# Altium PCB miniVent_PCB_v1_0.PcbDoc (continued)
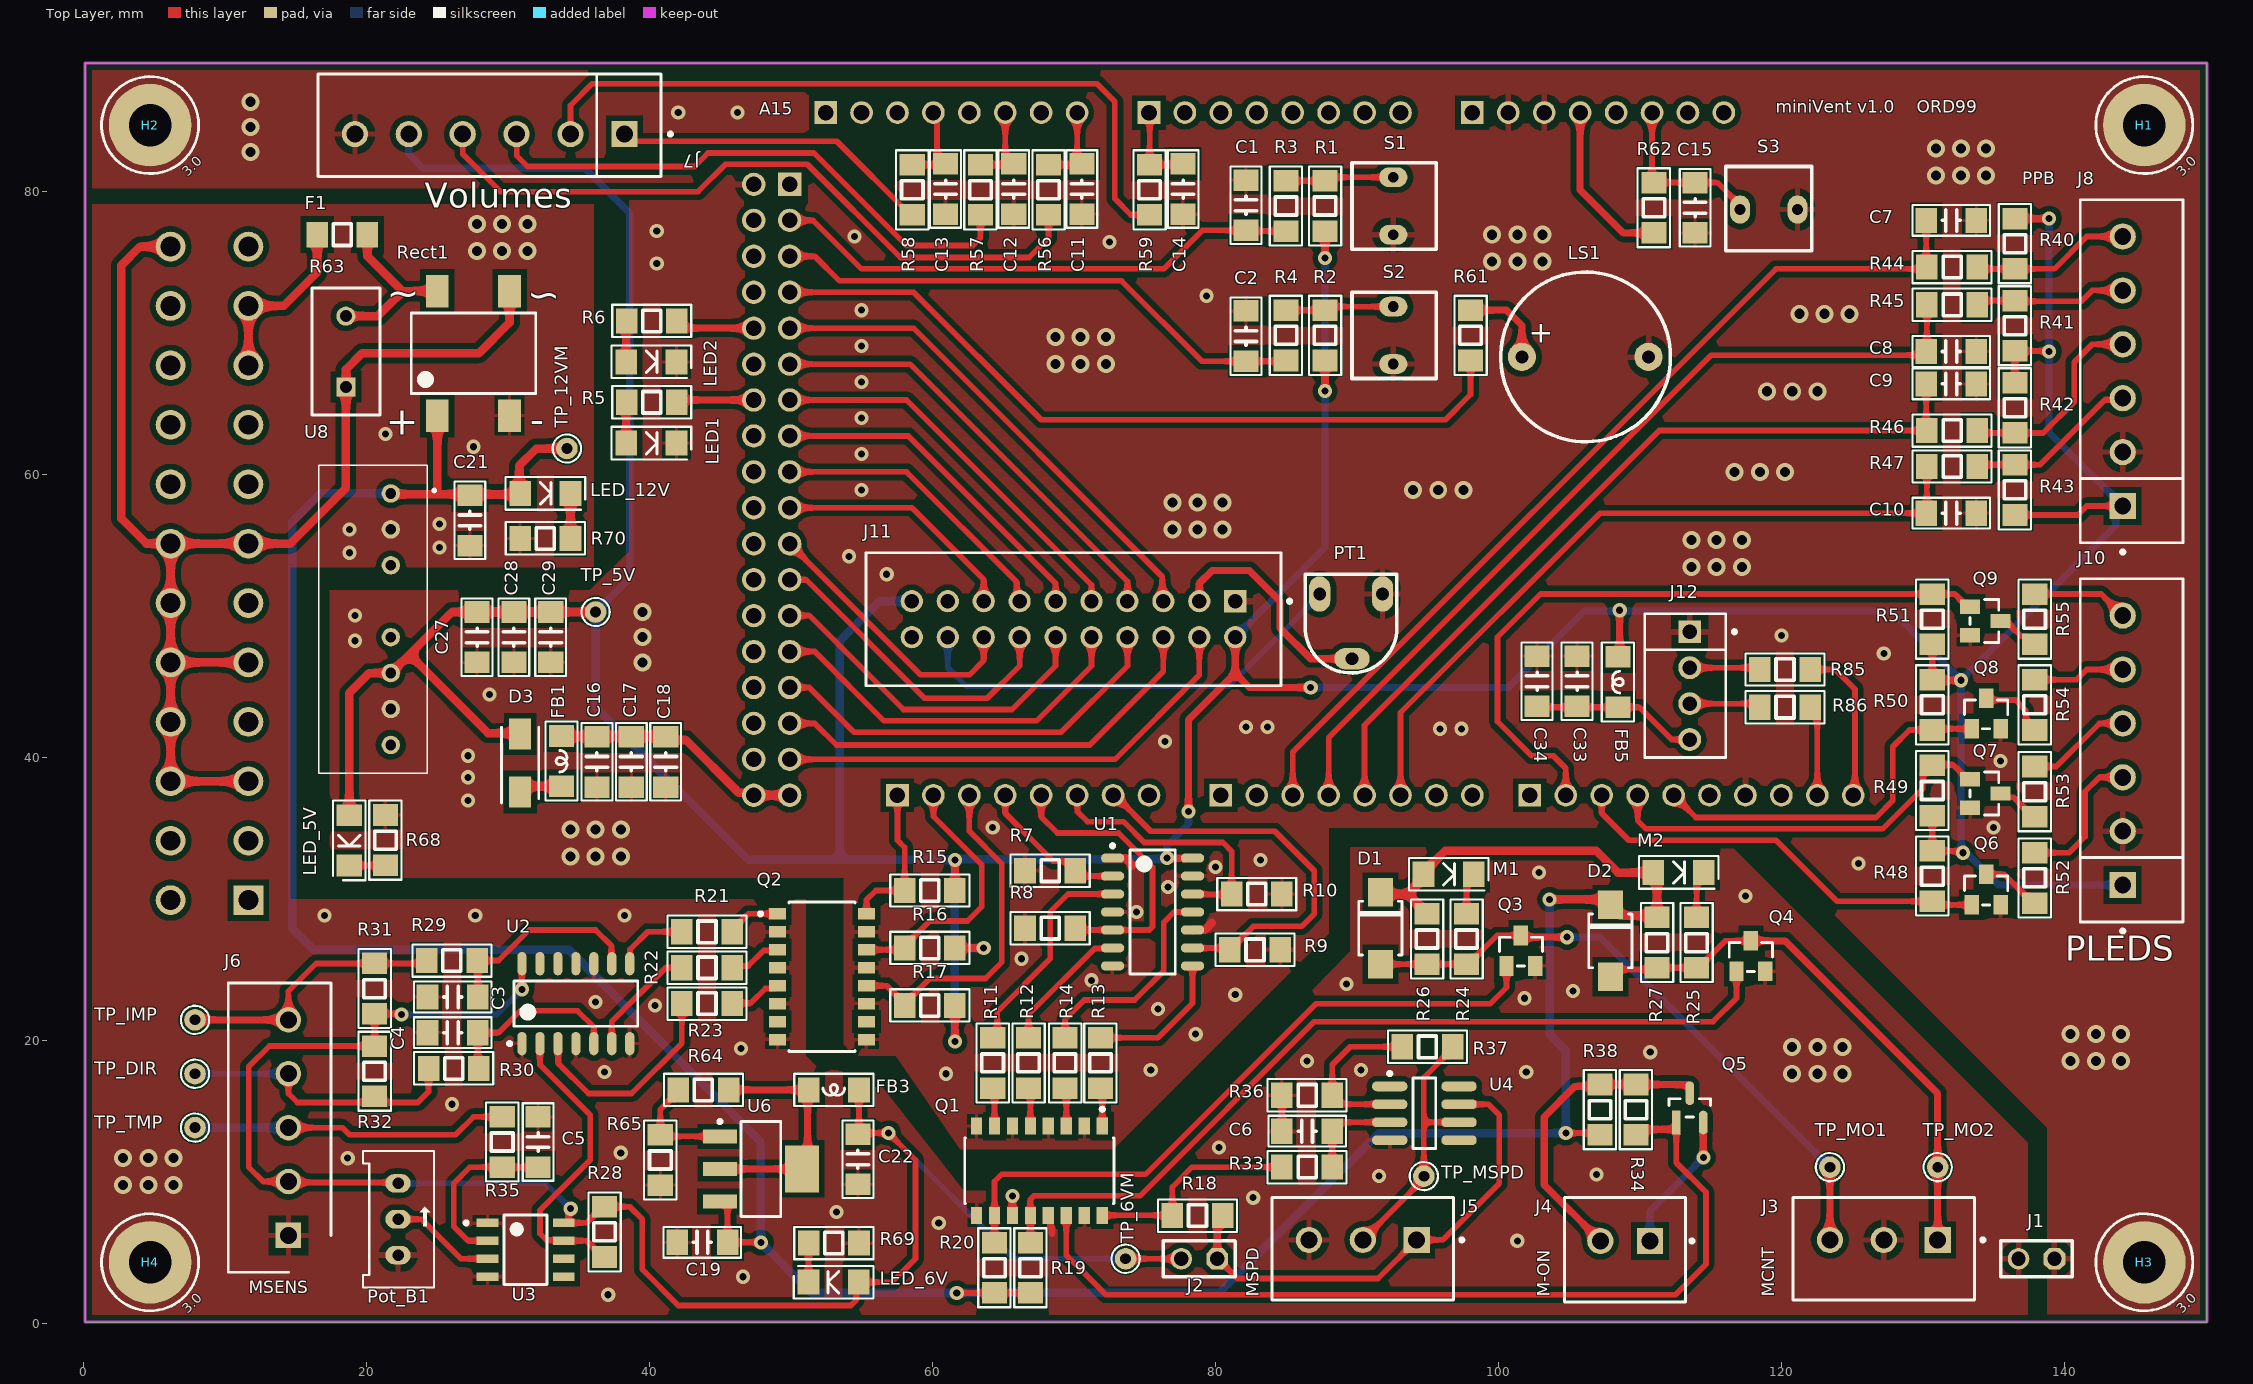
[diagram p0: Top Layer view]
## Footprints (in the part's own frame and the unit in brackets; to place one, negate y for a bottom-side part, rotate by r counter-clockwise, add the part's x,y. Pads: shape width x height; smd on the part's side, far side on the other; paste and mask are expansions set on the pad) (continued)
  rect 1.57x1.57 hole 1.02: 1(-11.43,-1.27)
  round 1.57 hole 1.02: 2(-11.43,1.27) 3(-8.89,-1.27) 4(-8.89,1.27) 5(-6.35,-1.27) 6(-6.35,1.27) 7(-3.81,-1.27) 8(-3.81,1.27) 9(-1.27,-1.27) 10(-1.27,1.27) 11(1.27,-1.27) 12(1.27,1.27) 13(3.81,-1.27) 14(3.81,1.27) 15(6.35,-1.27) 16(6.35,1.27) 17(8.89,-1.27) 18(8.89,1.27) 19(11.43,-1.27) 20(11.43,1.27)
  silkscreen extent -15.4,-4.7 14.67,4.7, body extent -14.77,-4.8 14.77,4.8, height 0.25
SHDR5W100P0X381_1X5_2044X725X920P [mm]
  rect 1.8x1.8 hole 1.2: 1(0,0)
  round 1.8 hole 1.2: 2(3.81,0) 3(7.62,0) 4(11.43,0) 5(15.24,0)
  silkscreen extent -2.6,-3 17.84,4.25, body extent -2.6,-3.05 17.84,4.2, height 9.2
TE_640454-4_0 [mm]
  rect 1.62x1.62 hole 1.02: 1(3.81,-0.32)
  round 1.62 hole 1.02: 2(1.27,-0.32) 3(-1.27,-0.32) 4(-3.81,-0.32)
  silkscreen extent -5.08,-3.6 5.08,2.86, body extent -5.18,-3.15 5.18,3.15, height 0.25
"Test Point Small" [mil]
  round 60 hole 30: 1(0,0)
  silkscreen extent -39,-39 39,39, body extent -20,-20 20,20, height 256
Texas_Instruments_D_R-PDSO-G8_0 [mm]
  rect 0.6x1.55 smd: 1(-1.905,-2.7) 2(-0.635,-2.7) 3(0.635,-2.7) 4(1.905,-2.7) 5(1.905,2.7) 6(0.635,2.7) 7(-0.635,2.7) 8(-1.905,2.7)
  silkscreen extent -2.45,-4.32 2.45,1.53, body extent -2.75,-3.57 2.75,3.57, height 0.25
Toshiba_11-10F1_0 [mm]
  rect 1.2x0.8 smd: 1(-3.15,4.445) 2(-3.15,3.175) 3(-3.15,1.905) 4(-3.15,0.635) 5(-3.15,-0.635) 6(-3.15,-1.905) 7(-3.15,-3.175) 8(-3.15,-4.445) 9(3.15,-4.445) 10(3.15,-3.175) 11(3.15,-1.905) 12(3.15,-0.635) 13(3.15,0.635) 14(3.15,1.905) 15(3.15,3.175) 16(3.15,4.445)
  silkscreen extent -4.47,-5.28 2.32,5.28, body extent -3.85,-5.38 3.85,5.38, height 0.25

## Part data
C1 C2 C3 C4 C5 C6 C7 C8 C9 C10 C11 C12 C13 C14 C15 C16 C17 C18 C19 C21 C22 C27 C28 C29 C33 C34: library part "C 1206  100V X7R - 100n", "SMD 1206   100V X7R 10%", Manufacturer=Samsung, Package=1206, Package-mm=3216, Part Number=CL31B104KCFNNNE, Supplier Part Number 1="C1206 100nF 100V X7R SAMSUNG", TempCo=X7R, Temperature Range="-55°C ~ +125°C", Tolerance %=±10%, ComponentLink1Description="Datasheet Link", ComponentLink1URL=https://store.comet.bg/download-file.php?id=11, ComponentLink2Description="Characteristics data", ComponentLink2URL=https://store.comet.bg/download-file.php?id=3821, Mount Type=SMT, Price=0.090, Published=07.04.2019, Publisher=Hefest, RoHS=Y, Supplier 1=Comet, Technology="Ceramic  MLCC", Type=Capacitors
  C1 C2 C3 C4 C5 C6 C7 C8 C9 C10 C11 C12 C13 C14 C15 C16 C17 C18 C19 C21 C22 C27 C28 C29: VDC=100V
  C33 C34: VDC=16V
FB1 FB3 FB5: library part "FB BLM31P 600", "SMD 1206 1.5A 600Ω/80mΩ", DC Resistance=80mΩ, Manufacturer=Murata, Package=1206, Package-mm=3216, Part Number=BLM31PG601SN1L, Temperature Range="-55°C ~ +125°C", Tolerance %=±25%, ComponentLink1Description="Datasheet Link", ComponentLink1URL=https://store.comet.bg/download-file.php?id=5324, Imax=1.5A, Ind=0.955uH, Material=Ferrite, Mount Type=SMT, Price=0.161, Published=07.04.2019, Publisher=Hefest, RoHS=Y, Supplier 1=Comet, Supplier Part Number 1=BLM31PG601SN1L, Technology=Chip, Type="Ferrite Bead", ZTyp@100MHz=600Ω
H1 H2 H3 H4: library part MOUNT-PAD-ROUND, "MOUNTING PAD, round"
J1 J2: "Jumper Wire", Manufacturer="Generic Components", Published=1999
J3 J5: "CONN 3 Position Terminal Block Header, Male Pins, Shrouded (4 Side) 0.150\" (3.81mm) Vertical Through Hole", Current=8A, Digikey Part Number=277-1222-ND, Manufacturer="Phoenix Contact", Mouser Part Number=651-1803439, Package=HDR03, Part Number=1803439, Temperature=to, Voltage - IEC=250V, Voltage - UL=300V, ComponentLink1Description=Upverter, ComponentLink1URL=https://upverter.com/upn/revision/15cf6a4194e13e43/, ComponentLink2Description=Datasheet, ComponentLink2URL=https://www.phoenixcontact.com/online/portal/ca/pxc/product_detail_page/!ut/p/b1/3ZfJjqNIEIafpR6AdrKbI_tmMDuGCwKM2YzBYNanH1epNYcZVdel5YPJEyjEry8y4s-MXbgLYHi_J3CCQPDdaRfe4qnM40fZ3uLr53tIRJSoEwDBCBgIJg5oBjEVUnUIEkF3_u4EsMiu1k492It-sDHlbi8yHOwHVesM1QUjMDMVR8xGsF3fyzpJKbMGb3m-ldRMvdytogjEpUzEa8lZ9WDWMrMfblh9r_G9jx23obf2YSs-2rv4yBnWYYhKP6Qt7R-f_-vW1r0u1lUoq1adcqJY64DoyrtY5gFB9r04PgKRloXATq5-UXB1rJW0WkCjM3884YLv4SwL_MQePAPIbwNofOfsTp4LH7hWnnkOOTArw_XmlI6IdJtrNOQymFamkLNrkZpsxL5rt4NN4RNT9W1XVFr7OAp8r54RYI96zPDufnQMXusajRdMglVtvbrxB4zkJlzcIkvpNmZLT-GVaR_QSeLSBU_I0uAFuzTwPpZg6WzD_F29V3iNVlF0sagDr-69_VydVgaLOBF44TK1Hz-BkW8KZmLvCka8K9i79pj5rj1GvGuPEe_aY8S79pj2tqX4ruahwZ9gJzfSP8E4iSg7m86AZnOldR6lvtQQKldj0xZDx5ipFru0uAyccwdFJyLPVeUWkwuio7balMKGiIEYKou4Ojw-m_Ps-YOed7PU7bu5OO4viE1KIEZPaI6BhEwUT0bv8T26k0lT1IVnyIcTm9RCG5kMLqD80NZGu2IkhFs1DPIH3vnMPiuW1Jh8JiWNGUPCG-poAqyWAhworNYfeYPOlHW-eN3QQH1DreMULztlF5ZJ82tOm1_gV7ekv7q-PY_pIzpnj7i8Rl2cZztPSYeFHbSZ45NiQBxTbG5HO5QHKxGEuGeuICKFNYN7ZEQX7Hj0HuvFFArVRqcxrSpV8utyrCdYB1cMrmtbwBpc5O89Jx22CMvVCSNuOJBiU-BRyMIheo51xkUxYATodnThS4xTbmt-fDxHgPBPN-Wvi_RXAPjmocHOzm4RS0fGiWXpH4pART6L4PfQIW_1ZlVgBro7ILpbb2DzdK06-brDz7rO6A-OXgAPVsd57jPnPvcaA87jZJw9y2VoVqX1c_6TIPxqQfTFguyrBe1XpxQBrxb8-4Tf2sK1HB5fpjB8usL2ZY487eQhJJkBdFs9iq2mnJEoXkVCz7WhQg9okqAqD2tq0EBucCSmsKr8gKUv52hDkiplykueytOF0UzYoeUmPFqGQvNIxiYGMWE9QwxF4uZQ7MispJFQRRE-D0dNlWayA-7UBJNixy0hNw4I1cutopgdIKnHWISwCmAnJ1YYLpTDnfUsz-qpWJ7usHq7Nr53SY6H2_rpLLrUNtkPiZbx_yV6M2edpGen0mYYgE0jJVN_JlbXbdjmwQJ6T7MrddN5WHW45-mnS78TTYdLfpN_EiRfLMiDVwsiLxZ0X03own9d0N8Ff54O_D4b2rFPs511zi7xeH3szDROi-yQTdnV-DzTm7BfofiblYAK-8-XGd7_u6CA_vgHnVCNeg!!/dl4/d5/L2dBISEvZ0FBIS9nQSEh/pw/Z7_9GN6024610FQ50AB2QJ7KT6766/act/id=0/p=downloadId=2845392/p=action=downloadFile/349172715691/-/, Digikey Description="CONN 3 Position Terminal Block Header, Male Pins, Shrouded (4 Side) 0.150\" (3.81mm) Vertical Through Hole", helpURL=https://upverter.com/upn/revision/15cf6a4194e13e43/, Lead Free=yes, Number of Positions=3, Pitch=3.81mm, Price=1.01681353673, RoHS=TRUE, Supplier 1=Digi-Key, Supplier 2=Mouser, Supplier Part Number 1=277-1222-ND, Supplier Part Number 2=651-1803439
J6: "Connector", Manufacturer_Name="Phoenix Contact", Mouser Part Number=651-1803455, RS Part Number=2204866, Allied Price/Stock=http://www.alliedelec.com/phoenix-contact-1803455/70054558/, Allied_Number=70054558, Datasheet Link=http://uk.rs-online.com/web/p/products/2204866, Height=9.2mm, Manufacturer_Part_Number=1803455, Mouser Price/Stock=https://www.mouser.co.uk/ProductDetail/Phoenix-Contact/1803455?qs=ChwaSN6Xm4%252Bowd0eKzWfkQ%3D%3D, RS Price/Stock=http://uk.rs-online.com/web/p/products/2204866
J7 J8 J10: "CONN TERM BLOCK HDR 6POS VERT 3.81MM", Digikey Part Number=277-1225-ND, Manufacturer="Phoenix Contact", Mouser Part Number=651-1803468, Package=HDR6, Part Number=1803468, Temperature=to, ComponentLink1Description=Upverter, ComponentLink1URL=https://upverter.com/upn/revision/3db961df2b2b7a0d/, ComponentLink2Description=Datasheet, ComponentLink2URL=http://media.digikey.com/pdf/Data%20Sheets/Phoenix%20Contact%20PDFs/1803468.pdf, Digikey Description="CONN TERM BLOCK HDR 6POS VERT 3.81MM", helpURL=https://upverter.com/upn/revision/3db961df2b2b7a0d/, Lead Free=yes, Mounting Type="Through Hole", Price=1.88397784029, RoHS=TRUE, Supplier 1=Digi-Key, Supplier 2=Mouser, Supplier Part Number 1=277-1225-ND, Supplier Part Number 2=651-1803468
J9: library part "ATX Power Receptor", "ATX main 24 PIN", Package=None, Availability=Unavailable, MF="TE Connectivity", MP=2-1586041-4, Price=None, SnapEDA_Link=https://www.snapeda.com/parts/2-1586041-4/TE%20Connectivity%20AMP%20Connectors/view-part/2469079/?ref=snap, TE_purchase_URL=https://www.te.com/usa-en/product-2-1586041-4.html?te_bu=Cor&te_type=disp&te_campaign=seda_glo_cor-seda-global-disp-prtnr-fy19-seda-model-bom-cta_sma-317_1&elqCampaignId=32493
J12: library part Conn_TE_640454-4_eec, "CONN 4 Positions Header, Unshrouded Connector 0.100\" (2.54mm) Through Hole Tin", Digikey Part Number=A19431-ND, Manufacturer=TE, Mouser Part Number=571-6404544, Package=HDR4, Part Number=640454-4, Temperature="-55°C to +105°C", Temperature Range High=+105°C, Temperature Range Low=-55°C, ComponentLink1Description=Upverter, ComponentLink1URL=https://upverter.com/upn/revision/6b0ee12ed291c9c0/, ComponentLink2Description=Datasheet, ComponentLink2URL=http://datasheet.octopart.com/640454-4-TE-Connectivity---AMP-datasheet-26529718.pdf, Digikey Description="CONN 4 Positions Header, Unshrouded Connector 0.100\" (2.54mm) Through Hole Tin", helpURL=https://upverter.com/upn/revision/6b0ee12ed291c9c0/, Lead Free=yes, Price=0.112358212788, RoHS=TRUE, Supplier 1=Digi-Key, Supplier 2=Mouser, Supplier Part Number 1=A19431-ND, Supplier Part Number 2=571-6404544
Pot_B1: library part RES_POT_LIN
PT1: "Variable Potentiometer top adjust", Designer="Seyed Mohsen Ghasemian", WEB=www.picpars.com
R1 R2 R3 R4 R5 R6 R7 R8 R9 R10 R11 R12 R13 R14 R15 R16 R17 R18 R19 R20 R21 R22 R23 R24 R25 R26 R27 R28 R29 R30 R31 R32 R33 R34 R35 R36 R37 R38 R40 R41 R42 R43 R44 R45 R46 R47 R48 R49 R50 R51 R52 R53 R54 R55 R56 R57 R58 R59 R61 R62 R64 R65 R68 R69 R70 R85 R86: library part "R 1206-5%", "SMD 1206 0.25W   5% 200V", Manufacturer=YAGEO, Package=1206, Package-mm=3216, Power=0.25W, Supplier Part Number 1="R1206 1.0K 5% YAG/ASJ", TempCo=±100ppm/°C, Temperature Range="-55°C ~ +155°C", Tolerance %=±5%, Value Code=102, ComponentLink1Description="Datasheet Link", ComponentLink1URL=https://store.comet.bg/download-file.php?id=140, Mount Type=SMT, Price=0.054, Published=07.04.2019, Publisher=Hefest, RoHS=Y, Supplier 1=Comet, Technology="Thick film", Type=Resistor, VDC=200V
R63: "Varistor (Voltage-Sensitive Resistor)", Code_IPC=RESC2012, LatestRevisionDate=29-May-2009, LatestRevisionNote="IPC-7351 Footprint Added.", PackageDescription="Chip Resistor 0805 Case Size", PackageReference=6-0805, PackageVersion=Mar-2003, Published=24-Mar-1999, Publisher="Altium Limited"
Rect1: library part DB107S
S1 S2 S3: "Switch", Designer="Seyed Mohsen Ghasemian", E-mail=picpars@gmail.com, Publisher=www.picpars.com, WEB=www.picpars.com
U1 U2: "Quadruple Bus Buffer Gates With 3-State Outputs, D0014A, TUBE", F @ Nom Voltage(Max)(Mhz)=28, ICC @ Nom Voltage(Max)(mA)=0.16, Operating Temperature Range(C)="-40 to 85", Part Number=SN74HC125, Rating=Catalog, tpd @ Nom Voltage(Max)(ns)=26, Voltage(Nom)(V)=6, Bits(#)=4, Code_IPC=MS-012, ComponentLink1Description="Manufacturer URL", ComponentLink1URL=http://www.ti.com/, ComponentLink2Description=Datasheet, ComponentLink2URL=http://www.ti.com/lit/ds/symlink/sn74hc125.pdf, DatasheetVersion=SCLS104D, Input Type=CMOS, Output Type=CMOS, PackageReference=D0014A, PackageVersion=http://www.ti.com/lit/ml/mpds177g/mpds177g.pdf, PartNumber=SN74HC125D, VCC(Max)(V)=6, VCC(Min)(V)=2
U4: "Single Channel Single-Supply Operation Operational Amplifier, 110 MHz BW, 170 V/us SR, Industrial, 8-pin SOIC (R-8), Tube", Amplifiers Per Package=1, Generic Part Number=AD8051, Input Bias Current=1.4uA, Input Offset Voltage=1.7mV, Manufacturer="Analog Devices", Code_JEDEC=MS-012-AA, ComponentLink1Description="Manufacturer URL", ComponentLink1URL=http://www.analog.com/en/index.html, ComponentLink2Description=Datasheet, ComponentLink2URL=http://www.analog.com/static/imported-files/data_sheets/AD8051_8052_8054.pdf, ComponentLink3Description="Package Specification", ComponentLink3URL=http://www.analog.com/static/imported-files/packages/PKG_PDF/SOIC_Narrow%20(R)/R_8.pdf, DatasheetVersion="Rev. J", Iq/Amp=5.5mA, Mounting Technology="Surface Mount", PackageDescription="8-Pin Standard Small Outline Package, Body 3.9 x 4.9 mm, Pitch 1.27 mm", PackageReference=R-8, PackageVersion=060506-A, Packing=Tube, PartNumber=AD8051ARZ, Slew Rate=170V/us, Small Signal Bandwidth=110MHz, V Span Max=12V, V Span Min=3V
U5: library part Mega_2560, "Arduino Mege 2560 R3"
U6: "800mA Low-Dropout Linear Regulator, 4-pin SOT-223", Manufacturer="National Semiconductor", PackageTopMarking=XYTT*N03A, PowerWise=N, Code_IPC=SOT223-4, Code_JEDEC=TO-261-AA, ComponentLink1Description="Manufacturer URL", ComponentLink1URL=http://www.national.com/, ComponentLink2Description="LM1117 Datasheet", ComponentLink2URL=http://www.national.com/ds/LM/LM1117.pdf, ComponentLink3Description="LM1117 Web Page", ComponentLink3URL=http://www.national.com/pf/LM/LM1117.html, ComponentLink4Description="MP04A Package Page", ComponentLink4URL=http://www.national.com/packaging/folders/mp04a.html, CompType="LDO IC", DatasheetVersion=Apr-2006, High-Reliability=Y, PackageDescription="Molded SOT-223, 6.50 x 3.56 x 1.6mm Body, 4 Lead, 2.3mm Pitch", PackageReference=MP04A, PackageVersion="revB, Apr-2003", PartNumber=LM1117MP-ADJ, PinCount=4, RevisionNote="SCH symbol layout adjusted", RoHS=N
U8: "Power Supply", Manufacturer_Name=Minmax, Datasheet Link=https://minmax.cdistore.com/datasheets/minmax/MCWI03-R2-110412.pdf, Manufacturer_Part_Number=MCWI03-12S05

## Via types
v1: diameter 1, hole 0.5, Top Layer to Bottom Layer, tented both sides, 101 vias
v2: diameter 1.27, hole 0.711, Top Layer to Bottom Layer, tented both sides, 78 vias

## Nets (pads, with @x,y where several pads share a name; then routed paths per layer and width w, separated by ;. In a path a pad name is that pad's centre, name@x,y a point inside that pad or via, vN(x,y) a via of type N, cw(c..) or ccw(c..) an arc to the next point about the centre after c; other vN are vias at no path point)
+5V: C27.1 C28.1 C29.1 D3.2 FB5.1 J7.5 J8.1 J10.1 J11.2 J11.19 LED_5V.A R1.1 R2.1 R15.1 R16.1 R17.1 R40.1 R41.1 R42.1 R43.1 R48.2 R49.2 R50.2 R51.2 TP_5V.1 U1.14 U8.6 | length 382.2
  Top Layer w0.4: R49.2 R48.2 132.715,33.401 v1(132.842,33.274) ; R50.2 R51.2 ; R43.1 140.97,57.15 141.605,57.785 J8.1 ; R42.1 R41.1 138.896,68.749 v1(138.938,68.707)
  Top Layer w0.5: v1(61.595,19.939) R17.1 ; R16.1 v1(63.627,26.543) ; R15.1 v1(61.595,32.766) ; v1(76.581,32.893) U1.14 ; v1(78.105,36.195) 78.105,42.672 81.407,45.974 ; J11.2 81.407,45.974 ; v1(86.741,44.958) 82.423,44.958 81.407,45.974 ; v1(87.757,65.913) R2.1 ; v1(87.757,75.311) R1.1 ; FB5.1 108.585,47.244 v1(108.585,50.419) ; R50.2 130.768,45.593 130.895,45.466 v1(132.715,45.466) ; R40.1 v1(138.938,78.105)
  Top Layer w0.6: LED_5V.A 18.78,44.561 20.193,45.974 U8.6 23.03,47.287 ; D3.2 30.805,41.73 28.586,41.73 23.03,47.287 ; TP_5V.1 C29.1 C28.1 C27.1 26.035,50.292 23.03,47.287
  Bottom Layer w0.5: J7.5 22.987,82.677 24.003,81.661 35.433,81.661 38.608,78.486 38.608,52.705 TP_5V.1 ; v1(76.581,32.893) 76.581,33.782 78.105,35.306 v1(78.105,36.195) ; J11.2@81.407,48.387 J11.2 87.757,54.864 v1(87.757,65.913) v1(87.757,75.311) ; v1(86.741,44.958) 100.711,44.958 106.108,50.355 127.826,50.355 v1(132.715,45.466) ; v1(138.938,78.105) v1(138.938,68.707) 138.938,62.992 J8.1 143.652,57.292 143.652,56.403 v1(132.715,45.466) ; J10.1 135.382,30.988 133.096,33.274 v1(132.842,33.274) 132.842,33.409 132.715,33.536 v1(132.715,45.466)
  Bottom Layer w0.6: TP_5V.1 36.195,43.561 46.99,32.766 53.467,32.766 ; J11.19 56.261,51.054 53.467,48.26 53.467,32.766 ; v1(61.595,19.939) 61.595,26.543 ; v1(63.627,26.543) 61.595,26.543 ; v1(76.581,32.893) 76.517,32.829 61.658,32.829 v1(61.595,32.766) ; 53.467,32.766 v1(61.595,32.766) ; 61.595,26.543 v1(61.595,32.766)
+5V_Ard: C16.1 C17.1 C18.1 FB1.2 U5.80 U5.81 | length 18
  Top Layer w0.6: FB1.2 33.809,41.502 36.287,41.502 38.717,41.502 C18.1@41.248,41.502 ; C18.1 41.389,41.234 42.586,41.234 46.307,37.513 47.196,37.513 U5.80 U5.81
+5V_M: J2.1 J5.1 R18.1 U4.7 | length 34.5
  Top Layer w0.4: J2.1 80.171,4.572 81.568,3.175 91.502,3.175 J5.1 96.077,5.907 100.076,9.906 100.076,14.732 99.314,15.494 U4.7
  Top Layer w0.5: J2.1 80.137,7.239 R18.1
+6V_M: C22.1 FB3.2 J2.2 J6.2 LED_6V.A Pot_B1.3 R28.2 R31.1 R32.1 TP_6VM.1 U2.14 U3.8 | length 128.4
  Top Layer w0.4: Pot_B1.3 22.162,9.97 14.541,9.97 J6.2 12.7,10.033 11.668,11.065 11.668,18.145 13.132,19.609 R32.1 R31.1 22.428,21.895 v1(22.479,21.844) ; v1(30.988,23.622) U2.14 ; U3.8 34.286,7.112 35.56,7.112 36.703,8.255 38.608,8.255 39.497,7.366 39.497,3.81 42.037,1.27 54.229,1.27 54.625,1.666 54.625,2.746 LED_6V.A 57.15,2.921 58.801,4.572 58.801,11.557 v1(56.896,13.462) ; U3.8@34.286,7.212 34.286,7.803 34.433,7.95 v1(34.433,8.112) ; C22.1 C22.1@54.811,13.463 ; FB3.2 C22.1@54.811,13.463 ; v1(56.896,13.462) C22.1@54.811,13.463 ; TP_6VM.1 J2.2
  Bottom Layer w0.4: Pot_B1.3 32.639,9.906 v1(34.433,8.112) ; v1(22.479,21.844) 29.21,21.844 v1(30.988,23.622) ; v1(56.896,13.462) 65.786,4.572 TP_6VM.1
+12_IN: F1.1 J9.10 J9.11 | length 12.7
  Top Layer w0.6: J9.10 J9.11 14.142,71.927 16.51,74.295 F1.1
+12V_M: C19.1 C21.1 D1.K D2.K LED_12V.A M1.A M2.A R19.1 R20.1 R26.2 R27.2 R38.2 Rect1.+ TP_12VM.1 U6.3 U8.1 | length 232
  Top Layer w0.4: U6.3 45.27,8.622 45.52,8.372 C19.1 47.857,5.737 v1(47.879,5.715) ; v1(61.722,2.159) R20.1 R19.1 ; v1(104.775,13.462) 107.061,13.462 R38.2
  Top Layer w0.6: U8.1 21.775,58.616 25.019,58.616 ; Rect1.+ 25.009,58.626 25.019,58.616 ; C21.1 27.368,58.61 30.797,58.61 30.797,60.642 32.004,61.849 TP_12VM.1@34.213,61.849 ; C21.1@27.305,58.616 25.019,58.616 ; D1.K 91.796,30.353 93.574,30.353 ; R26.2 94.844,28.956 94.382,29.418 94.382,29.545 93.574,30.353 ; v1(103.632,29.972) 107.544,29.972 D2.K 107.925,29.518 108.614,28.829 111.1,28.829 R27.2 111.227,31.623 M2.A 108.458,31.877 106.934,33.401 96.241,33.401 94.717,31.877 M1.A 94.255,31.288 94.255,31.034 93.574,30.353
  Bottom Layer w0.6: U8.1 16.764,58.674 14.732,56.642 14.732,27.94 16.256,26.416 34.29,26.416 47.879,12.827 v1(47.879,5.715) 51.435,2.159 v1(61.722,2.159) 80.264,2.159 91.567,13.462 v1(104.775,13.462) 104.775,19.304 103.632,20.447 v1(103.632,29.972)
Arduino_reset: C15.1 R62.2 S3.2 U5.54 | length 12.1
  Top Layer w0.4: U5.54 110.871,80.772 R62.2 C15.1 115.489,80.645 117.094,79.04 S3.2
BLED_ard1: R5.2 U5.43 | length 5.5
  Top Layer w0.5: R5.2 42.097,65.278 U5.43
BLED_ard2: R6.2 U5.47 | length 5.6
  Top Layer w0.5: R6.2 42.446,70.358 U5.47
BPB_ard1: C1.1 R3.1 U5.52 | length 37.6
  Top Layer w0.4: U5.52 51.562,77.978 54.991,74.549 76.36,74.549 79.081,77.27 C1.1 82.223,77.216 R3.1
BPB_ard2: C2.1 R4.1 U5.50 | length 38.2
  Top Layer w0.4: U5.50 51.689,75.438 53.429,73.698 73.368,73.698 79.048,68.018 C2.1 84.935,68.018 R4.1
Buzzer_Out: R61.1 U5.48 | length 55
  Top Layer w0.4: U5.48 58.674,72.898 67.691,63.881 96.266,63.881 98.044,65.659 R61.1
CS1: J11.15 U5.36 | length 17.3
  Top Layer w0.4: U5.36 58.547,57.658 63.627,52.578 J11.15
CS2: J11.16 U5.34 | length 19.6
  Top Layer w0.4: U5.34 59.182,45.847 62.611,45.847 63.627,46.863 J11.16
DB0: J11.7 U5.44 | length 31.6
  Top Layer w0.4: U5.44 58.42,67.818 73.787,52.451 J11.7
DB1: J11.8 U5.26 | length 29.2
  Top Layer w0.4: U5.26 51.296,44.958 54.458,41.796 69.101,41.796 73.787,46.482 J11.8
DB2: J11.9 U5.42 | length 27.9
  Top Layer w0.4: U5.42 58.166,65.278 71.247,52.197 J11.9
DB3: J11.10 U5.28 | length 27
  Top Layer w0.4: U5.28 51.689,47.498 56.591,42.596 67.361,42.596 71.247,46.482 J11.10
DB4: J11.11 U5.40 | length 24.4
  Top Layer w0.4: U5.40 58.293,62.738 68.707,52.324 J11.11
DB5: J11.12 U5.30 | length 24.9
  Top Layer w0.4: U5.30 51.308,50.038 57.95,43.396 65.621,43.396 68.707,46.482 J11.12
DB6: J11.13 U5.38 | length 20.7
  Top Layer w0.4: U5.38 58.166,60.198 65.963,52.401 65.963,51.258 J11.13
DB7: J11.14 U5.32 | length 22.7
  Top Layer w0.4: U5.32 51.054,52.578 59.436,44.196 63.881,44.196 66.167,46.482 J11.14
E: J11.6 U5.24 | length 31.6
  Top Layer w0.4: U5.24 51.689,42.418 53.213,40.894 71.12,40.894 76.327,46.101 J11.6
GND: C1.2 C2.2 C7.2 C8.2 C9.2 C10.2 C11.2 C12.2 C13.2 C14.2 C15.2 C16.2 C17.2 C18.2 C27.2 C28.2 C29.2 C33.2 C34.1 H1.P H2.P H3.P J1.1 J7.6 J8.2 J10.2 J11.1 J11.20 J12.1 LED1.K LED2.K LS1.2 PT1.1 Q1.2 Q1.4 Q1.6 Q1.8 Q2.9 Q2.11 Q2.13 Q2.15 Q6.S Q7.S Q8.S Q9.S R7.1 R8.2 R9.2 R10.2 R68.2 S1.1 S2.1 S3.1 U1.1 U1.4 U1.7 U1.10 U1.13 U5.57 U5.58 U5.76 U5.78 U5.79 U8.7 | length 3.7
  Top Layer w0.6: U1.1@72.254,32.893 U1.1 72.75,32.883 73.667,32.883 74.167,32.384 ; U1.10 78.4,27.823 79.258,27.823 79.756,28.321
  other v1: 60.96,17.653 75.438,17.907 78.613,20.447 75.946,22.225 81.407,23.241 71.247,24.257 66.294,25.781 74.422,29.083 76.665,30.861 80.01,32.258 125.476,32.512 83.185,32.766 64.262,35.052 135.001,35.052 27.178,36.957 27.178,38.608 135.509,39.751 27.178,40.132 76.454,41.148 95.885,42.037 97.409,42.037 82.169,42.164 83.693,42.164 28.702,44.45 127.254,47.371 19.177,48.26 120.015,48.641 19.177,50.038 56.769,52.959 54.102,54.229 54.991,58.928 54.991,61.468 54.991,64.008 54.991,66.548 54.991,69.088 54.991,71.628 79.375,72.644 40.513,74.93 72.517,76.454 54.483,76.835 40.513,77.216 42.037,85.598 46.228,85.598
  other v2: 140.462,18.542 142.24,18.542 144.018,18.542 140.462,20.447 142.24,20.447 144.018,20.447 34.417,33.02 36.195,33.02 37.973,33.02 34.417,34.925 36.195,34.925 37.973,34.925 39.497,46.736 39.497,48.514 39.497,50.292 113.665,53.467 115.443,53.467 117.221,53.467 113.665,55.372 115.443,55.372 117.221,55.372 76.962,56.134 78.74,56.134 80.518,56.134 76.962,58.039 78.74,58.039 80.518,58.039 93.98,58.928 95.758,58.928 97.536,58.928 116.713,60.198 118.491,60.198 120.269,60.198 119.004,65.896 120.782,65.896 122.56,65.896 68.707,67.818 70.485,67.818 72.263,67.818 68.707,69.723 70.485,69.723 72.263,69.723 121.285,71.374 123.063,71.374 124.841,71.374 99.568,75.057 101.346,75.057 103.124,75.057 99.568,76.962 101.346,76.962 103.124,76.962 130.937,81.153 132.715,81.153 134.493,81.153 11.811,82.804 130.937,83.058 132.715,83.058 134.493,83.058 11.811,84.582 11.811,86.36
GND_IN: J9.3 J9.5 J9.7 J9.15 J9.16 J9.17 J9.18 J9.19 J9.24 R63.1 Rect1.B | length 91.5
  Top Layer w0.6: J9.24 3.991,76.127 2.667,74.803 2.667,56.896 4.436,55.127 J9.19 ; J9.3 J9.15 J9.16 J9.17 ; J9.5 J9.17 ; Rect1.B 30.109,70.749 27.94,68.58 19.685,68.58 18.542,67.437 R63.1 18.542,59.055 14.614,55.127 J9.7 J9.19 ; J9.17 J9.18 J9.19
GND_Motor: C3.2 C4.2 C5.2 C6.2 C19.2 C21.2 C22.2 H4.P J1.2 J3.2 J5.3 J6.1 Pot_B1.1 Q1.9 Q1.11 Q1.13 Q1.15 Q2.2 Q2.4 Q2.6 Q2.8 Q3.S Q4.S R36.2 R65.2 R69.2 R70.2 Rect1.- U2.1 U2.4 U2.7 U2.10 U3.1 U3.4 U4.4 U8.2 | length 5.3
  Top Layer w0.4: C6.2 R36.2
  Top Layer w0.5: Q1.11 v1(65.659,9.017) ; Q1.13 68.349,7.495 68.349,6.865 68.468,6.746 68.468,6.35
  other v1: 37.084,2.032 46.609,3.302 101.346,5.842 60.452,7.112 53.213,7.874 82.677,8.89 91.567,10.414 106.934,10.541 18.669,11.684 37.973,12.065 80.264,12.446 26.035,15.494 36.83,17.78 101.981,17.78 90.297,17.907 86.487,18.542 110.744,19.177 46.482,19.431 40.386,22.479 36.195,22.733 101.854,22.987 105.283,23.495 89.281,24.003 17.018,28.829 27.686,28.829 38.227,28.829 117.475,30.226 102.87,31.877 18.796,54.483 25.146,54.864 18.796,56.134 25.146,56.515 27.559,61.976 21.336,62.865
  other v2: 2.794,9.779 4.572,9.779 6.35,9.779 2.794,11.684 4.572,11.684 6.35,11.684 120.777,17.653 122.555,17.653 124.333,17.653 120.777,19.558 122.555,19.558 124.333,19.558 27.813,75.819 29.591,75.819 31.369,75.819 27.813,77.724 29.591,77.724 31.369,77.724
LCD_RST: J11.17
MCNT1_opt_in: Q1.7 R11.1 | length 2.8
  Top Layer w0.4: R11.1 64.389,16.51 Q1.7 ; R11.1@64.516,16.637 R11.1@64.558,16.595
MCNT1_opt_out: Q1.10 Q3.G R20.2 | length 47.7
  Top Layer w0.4: R20.2 64.389,10.033 64.897,10.541 75.069,10.541 87.134,22.606 99.441,22.606 100.584,23.749 Q3.G
MCNT2_opt_in: Q1.5 R12.1 | length 2.7
  Top Layer w0.4: R12.1 66.929,16.51 Q1.5
MCNT2_opt_out: Q1.12 Q4.G R19.2 | length 60.8
  Top Layer w0.4: R19.2 66.929,8.783 67.163,9.017 74.676,9.017 86.995,21.336 115.189,21.336 116.84,22.987 Q4.G
MOnOff_opt_in: Q1.3 R14.1 | length 2.7
  Top Layer w0.4: R14.1 69.469,16.552 Q1.3
MOnOff_opt_out: Q1.14 Q5.1 R34.1 | length 64.4
  Top Layer w0.4: Q1.14 69.469,4.826 72.263,2.032 112.522,2.032 114.681,4.191 114.681,9.271 112.588,11.364 Q5.1@112.588,13.677
  Top Layer w0.5: R34.1 110.109,13.716 112.529,13.716 112.588,13.775 Q5.1 Q5.1@112.588,13.677
Motor_CNT1: R7.2 U1.2 U5.18 | length 10.6
  Top Layer w0.4: U5.18 65.151,36.068 68.526,32.693 69.542,32.693 70.104,32.131 R7.2 ; R7.2@70.104,31.623 U1.2
Motor_CNT2: R8.1 U1.5 U5.17 | length 20.7
  Top Layer w0.4: U5.17 67.691,35.814 68.834,34.671 73.152,34.671 75.565,32.258 75.565,28.047 75.331,27.813 U1.5 70.231,27.813 R8.1
Motor_DIR: R22.1 U2.6 | length 8.1
  Top Layer w0.4: U2.6 37.338,21.336 41.148,25.146 R22.1
Motor_DIR_In: J6.4 R30.1 R32.2 TP_DIR.1 | length 20.1
  Top Layer w0.4: J6.4 14.478,16.256 15.113,15.621 20.574,15.621 23.622,15.621 24.384,16.383 R30.1
  Bottom Layer w0.4: TP_DIR.1 J6.4
Motor_DIR_MCU: Q2.14 R16.2 U5.20 | length 18.8
  Top Layer w0.4: Q2.14 57.912,26.416 R16.2 58.039,26.67 59.817,28.448 62.484,28.448 63.5,29.464 63.5,32.417 60.071,35.846 U5.20
Motor_IMP: R21.1 U2.8 | length 5.2
  Top Layer w0.4: U2.8 38.626,25.449 38.626,26.434 39.878,27.686 R21.1
Motor_IMP_In: J6.5 R29.1 R31.2 TP_IMP.1 | length 19.5
  Top Layer w0.4: J6.5 14.478,23.495 16.434,25.451 R31.2 24.054,25.451 R29.1
  Top Layer w0.5: TP_IMP.1 J6.5 ; R29.1@24.13,25.781 R29.1
Motor_IMP_MCU: Q2.16 R15.2 U5.21 | length 10.9
  Top Layer w0.4: Q2.16 55.347,29.947 56.007,30.607 R15.2 58.039,33.655 57.531,34.163 U5.21
Motor_On_In: J4.2 Q5.3 R34.2 R38.1 | length 22.2
  Top Layer w0.5: J4.2 103.251,9.797 103.251,14.605 105.41,16.764 107.061,16.764 R38.1 R34.2 113.418,16.891 113.538,16.771 Q5.3
Motor_On_Off: R10.1 U1.12 U5.16 | length 19
  Top Layer w0.4: U5.16 70.249,37.32 70.249,36.177 70.955,35.471 73.507,35.471 74.98,33.998 80.532,33.998 81.153,33.377 R10.1 ; U1.12 78.419,30.324 R10.1@81.153,30.324
Motor_On_Out: J4.1 Q5.2 | length 9.9
  Top Layer w0.5: Q5.2 114.488,11.75 v1(114.498,11.74)
  Bottom Layer w0.5: J4.1 110.716,7.958 v1(114.498,11.74)
Motor_Out1: D1.A J3.3 Q3.D R24.2 R26.1 TP_MO1.1 | length 44.5
  Top Layer w0.4: D1.A R26.1 R24.2 97.892,25.4 99.924,27.432 Q3.D
  Top Layer w0.5: Q3.D 101.727,27.305 v1(104.859,27.305) ; J3.3 TP_MO1.1
  Bottom Layer w0.5: v1(104.859,27.305) 107.188,27.305 TP_MO1.1
Motor_Out2: D2.A J3.1 Q4.D R25.2 R27.1 TP_MO2.1 | length 39
  Top Layer w0.4: D2.A 108.433,25.019 111.1,25.019 R27.1 R25.2 114.148,25.146 116.053,27.051 Q4.D
  Top Layer w0.5: Q4.D 120.269,27.051 131.064,16.256 TP_MO2.1 J3.1
Motor_Speed_CNT: R9.1 U1.9 U5.15 | length 29.3
  Top Layer w0.4: U5.15 72.898,37.338 75.438,34.798 84.201,34.798 86.995,32.004 86.995,28.956 86.106,28.067 82.677,28.067 81.715,27.105 81.588,27.105 81.026,26.543 R9.1 80.899,26.543 U1.9
Motor_Speed_Out: J5.2 R37.2 TP_MSPD.1 U4.6 | length 18.5
  Top Layer w0.4: J5.2 94.742,10.225 TP_MSPD.1 ; TP_MSPD.1@94.742,10.668 94.742,14.224 ; R37.2 96.774,19.431 94.742,17.399 94.742,14.224 ; U4.6 94.742,14.224
Motor_Temp_Alarm: Q2.12 R17.2 U5.19 | length 24
  Top Layer w0.4: Q2.12 56.769,23.876 58.039,22.606 59.817,24.384 63.754,24.384 64.897,25.527 64.897,32.512 62.611,34.798 U5.19
Motor_Temp_In: J6.3 R35.1 TP_TMP.1 | length 22.5
  Top Layer w0.4: J6.3 18.288,13.843 18.796,13.335 26.289,13.335 27.559,14.605 R35.1
  Bottom Layer w0.6: TP_TMP.1 J6.3
MSPEED_opt_in: Q1.1 R13.1 | length 2.7
  Top Layer w0.4: R13.1 72.009,16.51 Q1.1
MSPEED_opt_out: Q1.16 R18.2 R33.1 | length 15.4
  Top Layer w0.4: Q1.16 R18.2@77.089,7.645 ; R18.2 76.962,9.652 78.359,11.049 R33.1
NetC3_1: C3.1 R29.2 U2.9 | length 14.7
  Top Layer w0.4: C3.1 27.867,25.6 R29.2 29.332,25.654 31.491,27.813 36.195,27.813 37.309,26.699 37.309,25.46 U2.9
NetC4_1: C4.1 R30.2 U2.5 | length 13
  Top Layer w0.4: R30.2 27.867,18.107 C4.1 29.318,20.555 30.861,22.098 34.925,22.098 36.068,20.955 U2.5
NetC5_1: C5.1 R35.2 U3.2 | length 12.3
  Top Layer w0.4: U3.2 27.178,5.842 26.162,6.858 26.162,9.906 27.305,11.049 C5.1
NetC6_1: C6.1 R33.2 U4.3 | length 6.9
  Top Layer w0.4: R33.2 C6.1 88.265,13.712 88.777,14.224 U4.3
NetC33_1: C33.1 C34.2 FB5.2 J12.4 | length 11.9
  Top Layer w0.4: C34.2@102.616,43.615 102.67,43.561 105.574,43.561 FB5.2 109.982,43.561 112.268,41.275 J12.4
NetD3_1: D3.1 FB1.1 | length 3.1
  Top Layer w0.6: D3.1 31.26,37.973 FB1.1
NetF1_2: F1.2 R63.2 Rect1.A | length 12.2
  Top Layer w0.6: R63.2 20.788,71.207 22.561,72.98 ; F1.2 20.066,75.438 22.524,72.98 22.561,72.98 ; Rect1.A 22.561,72.98
NetFB3_1: FB3.1 R64.1 U6.2 U6.4 | length 17.2
  Top Layer w0.5: U6.2 U6.4 51.181,11.324 51.181,16.436 FB3.1 R64.1
NetJ11_3: J11.3 PT1.3 | length 16.1
  Top Layer w0.5: J11.3 78.867,52.324 79.756,53.213 82.423,53.213 84.582,51.054 84.582,49.149 86.741,46.99 PT1.3
NetJ11_18: J11.18 PT1.2 | length 31.8
  Bottom Layer w0.4: J11.18 61.087,46.355 62.383,45.059 80.974,45.059 86.767,50.852 86.868,50.852 87.376,51.36 PT1.2
NetJ12_2: J12.2 R85.2 | length 5
  Top Layer w0.4: J12.2 118.364,46.355 R85.2
NetJ12_3: J12.3 R86.2 | length 5.1
  Top Layer w0.4: J12.3 118.237,43.815 R86.2
NetLED1_A: LED1.A R5.1 | length 2.9
  Top Layer w0.5: LED1.A 38.354,65.091 R5.1
NetLED2_A: LED2.A R6.1 | length 2.9
  Top Layer w0.5: LED2.A 38.354,70.838 R6.1
NetLED_5V_K: LED_5V.K R68.1 | length 2.6
  Top Layer w0.4: LED_5V.K 21.325,32.374 R68.1
NetLED_6V_K: LED_6V.K R69.1 | length 2.8
  Top Layer w0.4: LED_6V.K 51.244,5.673 R69.1
NetLED_12V_K: LED_12V.K R70.1 | length 3.2
  Top Layer w0.6: R70.1 LED_12V.K
NetLS1_1: LS1.1 R61.2 | length 6.3
  Top Layer w0.5: R61.2 100.584,71.628 101.672,70.54 LS1.1
NetM1_K: M1.K R24.1 | length 3
  Top Layer w0.4: R24.1 97.765,31.242 M1.K
NetM2_K: M2.K R25.1 | length 3.4
  Top Layer w0.4: R25.1 114.021,31.369 M2.K
NetPot_B1_2: Pot_B1.2 U3.3 | length 7.5
  Top Layer w0.4: Pot_B1.2 23.876,7.366 26.67,4.572 U3.3
NetQ2_1: Q2.1 R21.2 | length 3.8
  Top Layer w0.4: R21.2 45.847,27.813 46.99,28.956 Q2.1
NetQ2_3: Q2.3 R22.2 | length 3.7
  Top Layer w0.4: R22.2 45.959,25.258 46.975,25.258 48.081,26.364 48.995,26.364 Q2.3
NetQ2_5: Q2.5 R23.2 | length 3.7
  Top Layer w0.4: R23.2 45.874,22.633 47.144,22.633 48.193,23.682 48.853,23.682 Q2.5
NetQ6_D: Q6.D R52.1 | length 4.3
  Top Layer w0.4: Q6.D 135.763,31.75 137.283,30.23 137.795,29.718 R52.1
NetQ7_D: Q7.D R53.1 | length 3.1
  Top Layer w0.4: Q7.D 135.767,37.207 136.402,37.207 137.795,35.814 R53.1
NetQ8_D: Q8.D R54.1 | length 4.4
  Top Layer w0.4: Q8.D@134.906,44.069 136.555,44.069 137.283,43.341 137.283,42.464 137.795,41.952 R54.1
NetQ9_D: Q9.D R55.1 | length 3.1
  Top Layer w0.4: Q9.D 135.817,49.349 136.198,49.349 136.979,48.568 137.36,48.568 R55.1
NetR1_2: R1.2 R3.2 S1.2 | length 7.7
  Top Layer w0.4: R3.2 R1.2 88.011,81.026 S1.2
NetR2_2: R2.2 R4.2 S2.2 | length 7.7
  Top Layer w0.4: R4.2 R2.2 88.011,71.882 S2.2
NetR11_2: R11.2 U1.3 | length 15.5
  Top Layer w0.4: R11.2 64.592,20.523 64.592,22.047 68.326,25.781 68.326,29.083 69.596,30.353 U1.3
NetR12_2: R12.2 U1.6 | length 9.5
  Top Layer w0.4: R12.2 66.802,21.844 71.472,26.514 72.711,26.514 U1.6
NetR13_2: R13.2 U1.8 | length 10.2
  Top Layer w0.4: R13.2 75.946,20.193 78.39,22.637 U1.8
NetR14_2: R14.2 U1.11 | length 15.5
  Top Layer w0.4: R14.2 69.384,21.505 70.739,22.86 74.295,22.86 76.365,24.93 76.365,28.359 77.089,29.083 U1.11
NetR23_1: R23.1 U2.3 | length 15.3
  Top Layer w0.4: U2.3 33.557,19.752 33.557,18.386 35.687,16.256 38.735,16.256 42.291,19.812 R23.1
NetR28_1: R28.1 U2.2 U3.7 | length 21.6
  Top Layer w0.4: U2.2 32.258,18.288 35.814,14.732 35.814,11.557 32.258,8.001 32.258,6.35 32.716,5.892 33.892,5.892 U3.7 35.56,5.842 36.703,4.699 R28.1
NetR36_1: R36.1 R37.1 U4.2 | length 12
  Top Layer w0.4: U4.2 88.777,15.494 88.265,16.006 R36.1 88.265,18.288 89.535,19.558 R37.1
NetR62_1: R62.1 U5.56 | length 11.9
  Top Layer w0.5: U5.56 105.791,80.137 108.839,77.089 R62.1
NetR64_2: R64.2 R65.1 U6.1 | length 8
  Top Layer w0.4: R64.2 42.037,16.383 40.767,15.113 R65.1 40.88,13.222 U6.1
PLED_ard1: Q6.G R48.1 U5.10 | length 30.1
  Top Layer w0.4: U5.10 107.315,36.068 109.22,34.163 119.634,34.163 123.952,29.845 R48.1 130.937,29.591 Q6.G
PLED_ard2: Q7.G R49.1 U5.11 | length 28.5
  Top Layer w0.4: U5.11 109.855,35.56 110.452,34.963 127.165,34.963 129.994,37.792 129.994,38.893 130.556,39.455 R49.1 130.725,39.497 132.143,39.497 133.16,38.481 Q7.G
PLED_ard3: Q8.G R50.1 U5.12 | length 26.6
  Top Layer w0.4: U5.12 113.97,35.763 126.695,35.763 127.889,36.957 127.889,40.767 129.074,41.952 R50.1 130.768,42.037 Q8.G
PLED_ard4: Q9.G R51.1 U5.9 | length 49.1
  Top Layer w0.4: U5.9 104.775,39.243 103.886,40.132 102.362,40.132 99.949,42.545 99.949,48.514 102.997,51.562 R51.1 132.271,51.562 133.16,50.673 Q9.G
PLED_Out1: J10.3 R52.2 | length 10.3
  Top Layer w0.4: R52.2 140.335,33.274 141.478,34.417 141.478,37.592 142.494,38.608 J10.3
PLED_Out2: J10.4 R53.2 | length 7.5
  Top Layer w0.4: R53.2 139.446,39.37 142.494,42.418 J10.4
PLED_Out3: J10.5 R54.2 | length 6.5
  Top Layer w0.4: R54.2 140.885,45.508 141.605,46.228 J10.5
PLED_Out4: J10.6 R55.2 | length 6.9
  Top Layer w0.4: R55.2 142.621,51.562 J10.6
PPB_ard1: C7.1 R44.1 U5.2 | length 65.4
  Top Layer w0.4: U5.2 85.471,40.386 119.634,74.549 130.175,74.549 R44.1 130.248,74.73 C7.1
PPB_ard2: C8.1 R45.1 U5.3 | length 60.9
  Top Layer w0.4: U5.3 88.011,41.402 115.062,68.453 129.994,68.453 C8.1 130.302,68.761 R45.1
PPB_ard3: C9.1 R46.1 U5.4 | length 56.7
  Top Layer w0.4: U5.4 90.551,42.291 111.379,63.119 R46.1 130.248,63.173 C9.1
PPB_ard4: C10.1 R47.1 U5.5 | length 52.2
  Top Layer w0.4: U5.5 93.091,43.18 107.188,57.277 C10.1 130.302,57.331 R47.1
PPB_In1: J8.6 R40.2 R44.2 | length 11.3
  Top Layer w0.4: R44.2 133.985,74.549 R40.2 139.319,74.549 141.605,76.835 J8.6
PPB_In2: J8.5 R41.2 R45.2 | length 10.7
  Top Layer w0.4: R45.2 134.154,72.305 R41.2 136.567,72.263 141.224,72.263 141.986,73.025 J8.5
PPB_In3: J8.4 R42.2 R46.2 | length 14.6
  Top Layer w0.4: R46.2 134.027,62.95 138.515,62.95 140.716,65.151 140.716,67.945 141.986,69.215 J8.4
PPB_In4: J8.3 R43.2 R47.2 | length 12.3
  Top Layer w0.4: R47.2 133.985,60.706 R43.2 138.303,60.706 142.889,65.292 144.032,65.292 J8.3
Pressure_Data: R86.1 U5.82 | length 6.4
  Top Layer w0.4: R86.1 122.555,43.053 U5.82
Pressure_sck: R85.1 U5.83 | length 11.7
  Top Layer w0.4: R85.1@122.301,45.974 R85.1 123.825,46.228 125.222,44.831 125.222,37.465 U5.83
Rs: J11.4 U5.22 | length 34.1
  Top Layer w0.4: U5.22 72.898,39.878 78.867,45.847 J11.4
Rw: J11.5 U5.46 | length 35.4
  Top Layer w0.4: U5.46 58.674,70.358 76.25,52.782 76.25,51.131 J11.5
Volume1: C11.1 R56.1 U5.68 | length 6.1
  Top Layer w0.4: R56.1 70.513,81.915 C11.1 70.231,82.305 U5.68
Volume2: C12.1 R57.1 U5.70 | length 6.2
  Top Layer w0.4: R57.1 65.659,81.915 65.713,81.969 65.151,82.531 U5.70
Volume3: C13.1 R58.1 U5.72 | length 6.3
  Top Layer w0.4: R58.1 60.833,81.915 60.887,81.969 60.325,82.531 60.325,84.764 60.301,84.788 60.301,85.368 U5.72
Volume4: C14.1 R59.1 U5.67 | length 6.1
  Top Layer w0.4: U5.67 75.356,85.553 R59.1 77.67,81.915 C14.1
Volume_In1: J7.4 R56.2 | length 49.7
  Top Layer w0.4: J7.4 26.797,82.677 29.464,80.01 43.434,80.01 45.367,81.943 51.153,81.943 57.747,75.349 66.84,75.349 68.211,76.72 R56.2
Volume_In2: J7.3 R57.2 | length 39.6
  Top Layer w0.4: J7.3 30.607,82.55 31.369,81.788 43.18,81.788 44.135,82.743 51.623,82.743 58.166,76.2 62.865,76.2 63.394,76.729 R57.2
Volume_In3: J7.1 R58.2 | length 22.7
  Top Layer w0.4: J7.1 38.735,83.566 53.243,83.566 58.45,78.359 R58.2
Volume_In4: J7.2 R59.2 | length 51.5
  Top Layer w0.4: J7.2 34.417,86.106 35.941,87.63 71.628,87.63 72.898,86.36 72.898,79.502 74.041,78.359 R59.2
pads on no net: J9.1 J9.2 J9.4 J9.6 J9.8 J9.9 J9.12 J9.13 J9.14 J9.20 J9.21 J9.22 J9.23 Q2.7 Q2.10 U2.11 U2.12 U2.13 U3.5 U3.6 U4.1 U4.5 U4.8 U5.0 U5.1 U5.6 U5.7 U5.8 U5.13 U5.14 U5.23 U5.25 U5.27 U5.29 U5.31 U5.33 U5.35 U5.37 U5.39 U5.41 U5.45 U5.49 U5.51 U5.53 U5.55 U5.59 U5.60 U5.61 U5.62 U5.63 U5.64 U5.65 U5.66 U5.69 U5.71 U5.73 U5.74 U5.75 U5.77 U5.84 U5.85 U8.3 U8.5 U8.8

## Polygon pours and split planes (outlines as drawn)
GND on Bottom Layer "GND_L02_P004" (solid, remove dead copper, pour order 4): 0.33,89.635 149.682,89.635 149.682,0.635 138.811,0.635 138.811,13.843 117.602,35.052 88.011,35.052 88.011,27.559 72.771,12.319 61.976,12.319 60.706,14.097 57.455,18.923 54.532,18.923 53.721,19.734 53.721,31.496 17.399,31.496 17.399,51.816 35.79,51.816 38.557,54.583 38.557,80.237 0.33,80.237
GND_Motor on Bottom Layer "GND_MOTOR_L02_P005" (solid, remove dead copper, pour order 5): 0.127,79.121 36.068,79.121 36.068,53.467 14.605,53.467 14.605,29.972 51.054,29.972 51.054,18.923 52.07,17.907 55.499,17.907 62.23,9.398 72.898,9.398 89.535,26.309 89.535,33.655 116.545,33.655 137.414,12.786 137.414,0.127 0.254,0.127 0,0.381 0.127,0.508
GND on Top Layer "GND_L01_P003" (solid, remove dead copper, pour order 3): 0.33,89.635 149.682,89.635 149.682,0.635 138.811,0.635 138.811,13.843 117.602,35.052 88.011,35.052 88.011,27.559 72.771,12.319 61.976,12.319 57.404,18.923 54.532,18.923 53.721,19.734 53.721,31.496 17.399,31.496 17.399,51.816 35.79,51.816 38.557,54.583 38.557,80.237 0.33,80.237
GND_Motor on Top Layer "GND_MOTOR_L01_P002" (solid, remove dead copper, pour order 2): 0.127,79.121 36.068,79.121 36.068,53.467 14.605,53.467 14.605,29.972 51.054,29.972 51.054,18.923 52.07,17.907 55.499,17.907 62.23,9.398 72.898,9.398 89.535,26.309 89.535,33.655 116.545,33.655 137.414,12.786 137.414,0.127 0.254,0.127 0,0.381 0.127,0.508

## Keep-outs
Keep-Out Layer:
  the board outline again, w0.2

## Silkscreen, mask and mechanical layers (free items; w line width, h text height)
Top Overlay:
  text "miniVent v1.0    ORD99" at 119.626,85.264 h1.5
  text "A15" at 47.752,85.108 h1.5
  text "PPB" at 137.025,80.2 h1.5
  text "Volumes" at 24.13,78.267 h3
  text "PLEDS" at 140.081,25.054 h3
  text "MSPD" at 83.392,1.897 h1.5 r90
  text "M-ON" at 103.966,1.897 h1.5 r90
  text "MCNT" at 119.841,1.897 h1.5 r90
  text "MSENS" at 11.676,1.825 h1.5
Bottom Overlay:
  drawing of 2 lines, arcs and shapes, not listed
  text "miniVent v1.0    ORD99" at 116.521,15.851 h5

## Text inside footprints (layer, text, board x,y; h text height)
H1: Top Overlay "3.0" at 148.336,81.026 h0.7 r45
H2: Top Overlay "3.0" at 7.366,81.026 h0.7 r45
H3: Top Overlay "3.0" at 148.336,0.642 h0.7 r45
H4: Top Overlay "3.0" at 7.366,0.642 h0.7 r45
LS1: Top Overlay "+" at 102.172,69.326 h1.52
Rect1: Top Overlay "~" at 31.359,74.18 h3.5 r180; Top Overlay "~" at 23.759,74.28 h3.5 r180; Top Overlay "-" at 32.559,65.08 h3.5 r180; Top Overlay "+" at 23.698,65.18 h3.5 r180
U5: Bottom Overlay "A14" at 54.169,78.332 h2.36 r270; Bottom Overlay "A12" at 59.634,78.327 h2.36 r270; Bottom Overlay "A13" at 56.894,78.288 h2.36 r270; Bottom Overlay "A11" at 62.049,78.314 h2.36 r270; Bottom Overlay "A10" at 65.113,78.314 h2.36 r270; Bottom Overlay "A9" at 67.853,79.513 h2.36 r270; Bottom Overlay "A8" at 70.612,79.566 h2.36 r270; Bottom Overlay "A7" at 73.739,79.777 h2.36 r270; Bottom Overlay "A6" at 77.063,79.705 h2.36 r270; Bottom Overlay "A5" at 79.603,79.538 h2.36 r270; Bottom Overlay "A4" at 81.805,79.774 h2.36 r270; Bottom Overlay "A3" at 84.709,79.731 h2.36 r270; Bottom Overlay "VIN" at 96.954,78.354 h2.36 r270; Bottom Overlay "A2" at 87.614,79.77 h2.36 r270; Bottom Overlay "A1" at 90.519,79.756 h2.36 r270; Bottom Overlay "A0" at 93.423,79.756 h2.36 r270; Bottom Overlay "GND" at 99.715,78.46 h2.36 r270; Bottom Overlay "GND" at 102.475,78.46 h2.36 r270; Bottom Overlay "5V" at 105.236,79.724 h2.36 r270; Bottom Overlay "3V3" at 107.997,78.651 h2.36 r270; Bottom Overlay "RESET" at 110.757,75.978 h2.36 r270; Bottom Overlay "IOREF" at 113.157,76.066 h2.36 r270; Bottom Overlay "57" at 102.237,83.895 h1.02 r180; Bottom Overlay "56" at 104.879,83.895 h1.02 r180; Bottom Overlay "55" at 107.521,83.895 h1.02 r180; Bottom Overlay "54" at 110.162,83.895 h1.02 r180; Bottom Overlay "58" at 99.596,83.895 h1.02 r180; Bottom Overlay "59" at 97.107,83.895 h1.02 r180; Bottom Overlay "67" at 73.891,83.895 h1.02 r180; Bottom Overlay "65" at 79.218,83.895 h1.02 r180; Bottom Overlay "64" at 81.957,83.895 h1.02 r180; Bottom Overlay "63" at 84.697,83.895 h1.02 r180; Bottom Overlay "62" at 87.436,83.895 h1.02 r180; Bottom Overlay "61" at 90.176,83.895 h1.02 r180; Bottom Overlay "60" at 92.916,83.895 h1.02 r180; Bottom Overlay "75" at 51.03,83.895 h1.02 r180; Bottom Overlay "74" at 53.617,83.895 h1.02 r180; Bottom Overlay "73" at 56.357,83.895 h1.02 r180; Bottom Overlay "72" at 59.096,83.895 h1.02 r180; Bottom Overlay "71" at 61.836,83.895 h1.02 r180; Bottom Overlay "70" at 64.575,83.895 h1.02 r180; Bottom Overlay "68" at 70.074,83.895 h1.02 r180; Bottom Overlay "79" at 43.867,81.13 h1.02 r180; Bottom Overlay "53" at 43.867,78.734 h1.02 r180; Bottom Overlay "51" at 44.206,76.187 h1.02 r180; Bottom Overlay "49" at 43.867,73.639 h1.02 r180; Bottom Overlay "47" at 43.867,71.091 h1.02 r180; Bottom Overlay "45" at 43.867,68.543 h1.02 r180; Bottom Overlay "43" at 43.867,65.995 h1.02 r180; Bottom Overlay "41" at 44.206,63.447 h1.02 r180; Bottom Overlay "39" at 43.867,60.899 h1.02 r180; Bottom Overlay "37" at 43.867,58.351 h1.02 r180; Bottom Overlay "35" at 43.867,55.803 h1.02 r180; Bottom Overlay "33" at 43.867,53.255 h1.02 r180; Bottom Overlay "31" at 44.206,50.707 h1.02 r180; Bottom Overlay "29" at 40.946,48.032 h1.02 r180; Bottom Overlay "27" at 40.946,45.484 h1.02 r180; Bottom Overlay "25" at 40.946,42.936 h1.02 r180; Bottom Overlay "23" at 40.946,40.388 h1.02 r180; Bottom Overlay "78" at 51.741,81.13 h1.02 r180; Bottom Overlay "52" at 51.741,78.734 h1.02 r180; Bottom Overlay "50" at 51.741,76.187 h1.02 r180; Bottom Overlay "48" at 51.741,73.639 h1.02 r180; Bottom Overlay "46" at 51.741,71.091 h1.02 r180; Bottom Overlay "44" at 51.741,68.543 h1.02 r180; Bottom Overlay "42" at 51.741,65.995 h1.02 r180; Bottom Overlay "40" at 51.741,63.447 h1.02 r180; Bottom Overlay "38" at 51.741,60.899 h1.02 r180; Bottom Overlay "36" at 51.741,58.351 h1.02 r180; Bottom Overlay "34" at 51.741,55.803 h1.02 r180; Bottom Overlay "32" at 51.741,53.255 h1.02 r180; Bottom Overlay "30" at 51.741,50.707 h1.02 r180; Bottom Overlay "28" at 51.741,48.159 h1.02 r180; Bottom Overlay "26" at 51.741,45.611 h1.02 r180; Bottom Overlay "24" at 51.741,43.063 h1.02 r180; Bottom Overlay "22" at 51.741,40.515 h1.02 r180; Bottom Overlay "9" at 103.78,40.184 h1.02 r180; Bottom Overlay "10" at 106.388,40.184 h1.02 r180; Bottom Overlay "11" at 108.997,40.184 h1.02 r180; Bottom Overlay "13" at 114.215,40.184 h1.02 r180; Bottom Overlay "8" at 101.323,40.184 h1.02 r180; Bottom Overlay "0" at 78.971,40.184 h1.02 r180; Bottom Overlay "1" at 81.649,40.184 h1.02 r180; Bottom Overlay "2" at 84.479,40.184 h1.02 r180; Bottom Overlay "3" at 87.309,40.184 h1.02 r180; Bottom Overlay "4" at 90.14,40.184 h1.02 r180; Bottom Overlay "5" at 92.97,40.184 h1.02 r180; Bottom Overlay "6" at 95.8,40.184 h1.02 r180; Bottom Overlay "7" at 98.631,40.184 h1.02 r180; Bottom Overlay "21" at 56.238,40.184 h1.02 r180; Bottom Overlay "20" at 58.825,40.184 h1.02 r180; Bottom Overlay "19" at 61.565,40.184 h1.02 r180; Bottom Overlay "18" at 64.304,40.184 h1.02 r180; Bottom Overlay "17" at 67.044,40.184 h1.02 r180; Bottom Overlay "16" at 69.783,40.184 h1.02 r180; Bottom Overlay "15" at 72.523,40.184 h1.02 r180; Bottom Overlay "14" at 75.263,40.184 h1.02 r180; Bottom Overlay "SDA" at 121.949,39.137 h1.21 r270; Bottom Overlay "SCL" at 124.54,39.137 h1.21 r270; Bottom Overlay "AREF" at 119.481,39.016 h2.36 r270; Bottom Overlay "GND" at 116.941,39.016 h2.36 r270; Bottom Overlay "12" at 111.606,40.184 h1.02 r180; Bottom Overlay "69" at 67.315,83.895 h1.02 r180; Bottom Overlay "66" at 76.526,83.895 h1.02 r180